# Altium PCB TIDA-01576_ADS8686S_ISO_Interface.PcbDoc (part 2 of 4) (continued)
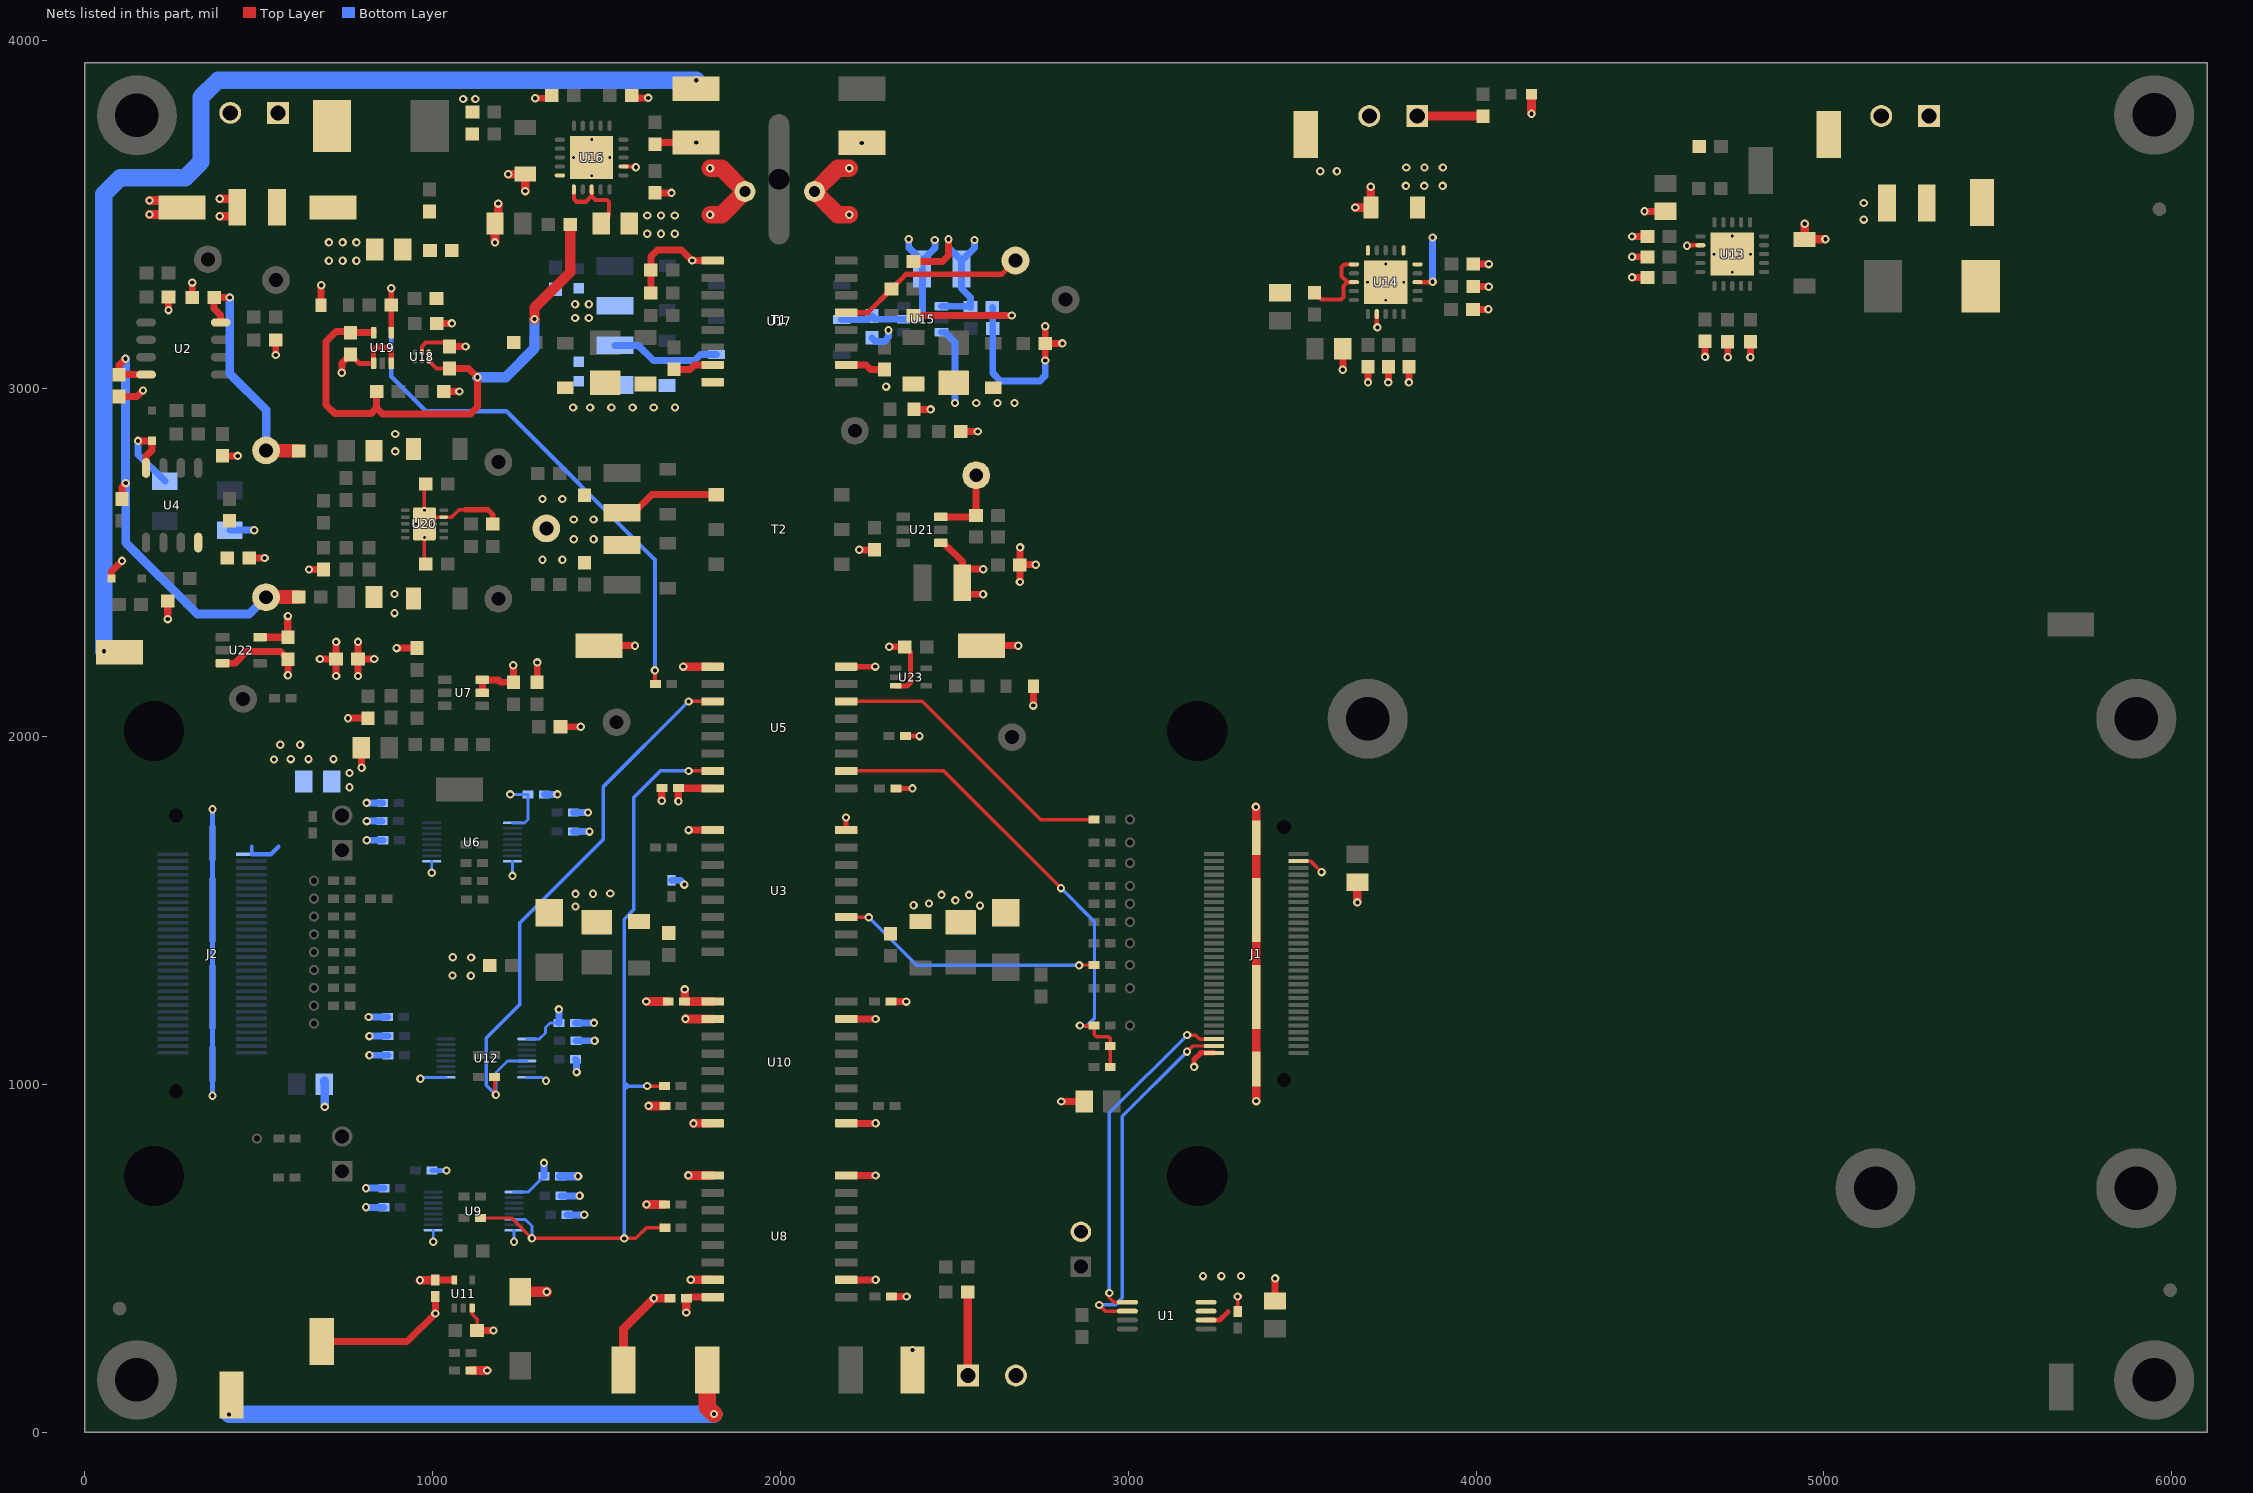
[diagram p4: the nets of this part, all layers, seen from the top]
## Part data (continued)
TP26 TP27 TP30 TP31 TP32 TP33 TP34 TP47 TP48: "Test Point, Miniature, Red, TH", Color=Red, Manufacturer=Keystone, Supplier Part Number 1=36-5000-ND, ComponentLink1Description="Datasheet URL", ComponentLink1URL=http://www.keyelco.com/userAssets/file/M60-2p60.pdf, CompType="Test Point Loop", ContactFinish=Silver, MountType=TH, PackageReference="Red Miniature Testpoint", PartNumber=5000, Publisher="Texas Instruments", RoHS=Y, Supplier 1=Digi-Key, Supplier 2=Mouser, Supplier Part Number 2=534-5000, SymbolVersion=2008-04-04
  TP26 TP30 TP32 TP34 TP47 TP48: Green_EU RoHS=Passed, Green_EU RoHS-2=Incomplete, Green_Lifecycle=Active, Green_REACh=Passed, LatestRevisionDate=2017-05-11
  TP27 TP31 TP33: LatestRevisionDate=2016-02-11
TP28 TP29: "Test Point, Miniature, Black, TH", Color=Black, Manufacturer=Keystone, Supplier Part Number 1=36-5001-ND, ComponentLink1Description="Datasheet URL", ComponentLink1URL=http://www.keyelco.com/userAssets/file/M60-2p60.pdf, CompType="Test Point Loop", ContactFinish=Silver, Green_EU RoHS=Passed, Green_EU RoHS-2=Incomplete, Green_Lifecycle=Active, Green_REACh=Passed, LatestRevisionDate=2017-05-11, MountType=TH, PackageReference="Black Miniature Testpoint", PartNumber=5001, Publisher="Texas Instruments", RoHS=Y, Supplier 1=Digi-Key, Supplier 2=Mouser, Supplier Part Number 2=534-5001, SymbolVersion=2008-04-04
U1: library part CMP-0004843-1, "I2C BUS EEPROM (2-Wire), TSSOP-B8", Manufacturer=Rohm, Supplier Part Number 1=BR24G32FVT-3AG2CT-ND, ComponentLink1Description="Datasheet URL", ComponentLink1URL=http://rohmfs.rohm.com/en/products/databook/datasheet/ic/memory/eeprom/br24g32-3-e.pdf, LatestRevisionDate=09/03/2017, MountType=SMT, PackageReference=TSSOP-8, PartNumber=BR24G32FVT-3AGE2, Publisher="Texas Instruments", RoHS=Y, Supplier 1=Digi-Key, Supplier 2=Mouser, Supplier Part Number 2=755-BR24G32FVT-3AGE2
U2: library part CMP-0040593-1, "Low Power, RRO, General Purpose Operational Amplifier in MicroPackage, 2.7 to 36 V, -40 to 125 degC, 8-pin SOIC (D8), Green (RoHS & no Sb/Br)", Manufacturer="Texas Instruments", Rating=Catalog, Total Supply Voltage(Max)(+5V is 5, +/-5V is 10)=36, Total Supply Voltage(Min)(+5V is 5, +/-5V is 10)=2.7, CMRR(Min)(dB)=104, Code_JEDEC=MS-012, ComponentLink1Description="Manufacturer URL", ComponentLink1URL=http://www.ti.com/, ComponentLink2Description=Datasheet, ComponentLink2URL=http://www.ti.com/lit/ds/symlink/opa2171.pdf, ComponentLink3Description="Package Specification", ComponentLink3URL=http://www.ti.com/litv/pdf/msoi002j, DatasheetVersion=SBOS516D, Eco-Plan="Green (RoHS & no Sb/Br)", GBW(Typ)(MHz)=3, IIB(Max)(pA)=15, Iq per channel(Max)(mA)=0.595, Mounting Technology="Surface Mount", Number of Channels=2, Offset Drift(Typ)(uV/C)=0.3, PackageDescription="8-Pin Plastic Small Outline, Body 4.9 x 3.9 mm, Pitch 1.27 mm", PackageReference=D0008A, PackageVersion="4040047-3/M, 06/2011", Packing=TUBE, PartId=1, PartNumber=OPA2171AID, Slew Rate(Typ)(V/us)=1.5, Sub Family="High Supply Voltage Amplifier (>=30V), Low Supply Voltage Amplifier (<=2.7V), Precision Amplifier", Vio (25C)(Max)(mV)=1.8
U3 U5: library part CMP-0078433-2, "High Speed, Robust EMC, Reinforced Six-Channel Digital Isolator, DW0016B (SOIC-16)", Alternate Manufacturer="Texas Instruments", Alternate PartNumber=ISO7763DW, Operating Temperature Range="-55 to 125 C", Rating=Catalog, AEC Category=Q200, AEC Qualified=N, ComponentLink1Description="Datasheet Link", ComponentLink1URL=http://www.ti.com/lit/ds/symlink/iso7763.pdf, ComponentLink2Description="Product Folder", ComponentLink2URL=http://www.ti.com/product/iso7763, ComponentLink3Description="Online Datasheet", ComponentLink3URL=http://www.ti.com/product/GPN/datasheet, CompType=IC, Manufacturer="Texas Instruments", MountType=SMT, PackageDescription=SOIC-16, PackageReference=DW0016B, PartNumber=ISO7763DWR, RoHS=Y, SizeArea_mm2=107.12, SizeAreaWB_mm2=152.52, SizeX_mm=10.4, SizeY_mm=10.3, SizeZ_mm=2.65
U4: library part LM2903D, "Dual Comparator, D0008A", Alternate Manufacturer="Texas Instruments", Supplier Part Number 1=296-16806-1-ND, ComponentLink1Description="LM2903 Datasheet", ComponentLink1URL=http://www.ti.com/lit/gpn/LM193, ComponentLink2Description="LM2903 Web Page", ComponentLink2URL=http://www.ti.com/product/LM2903, ComponentLink3Description="SOIC Package Web Page", ComponentLink3URL=http://www.ti.com/sc/docs/psheets/type/soic.html, CompType="OpAmp IC", LatestRevisionDate=2016-06-02, Manufacturer="Texas Instruments", MountType=SMT, PackageReference=D0008A, PartNumber=LM2903DR, Publisher="Texas Instruments", Supplier 1=Digi-Key, SymbolVersion=2013-12-03
U6 U9 U12: "4-Bit Dual-supply Bus Transceiver with Configurable Voltage Translation and 3-State Outputs, DGV0016A", Alternate Manufacturer="Texas Instruments", ComponentLink1Description="Datasheet Link", ComponentLink1URL=http://www.ti.com/lit/ds/symlink/sn74avc4t245.pdf, CompType=IC, LatestRevisionDate=2016-05-19, Manufacturer="Texas Instruments", MountType=SMT, PackageDescription=TVSOP-16, PackageReference=DGV0016A, PartNumber=SN74AVC4T245DGVR, Publisher="Texas Instruments", RoHS=Y, SizeArea_mm2=40.96, SizeAreaWB_mm2=70.56, SizeX_mm=6.4, SizeY_mm=6.4, SizeZ_mm=1.2, SymbolCreator=Altium, SymbolVerison=2015-09-23, U/M=EA
U7: "Single Output High PSRR LDO, 100 mA, Adjustable 1.2 to 5.5 V Output, 2.7 to 5.5 V Input, 6-pin SOT-23 (DBV), -40 to 125 degC, Green (RoHS & no Sb/Br)", Alternate Manufacturer="Texas Instruments", Alternate PartNumber=Equivalent, Supplier Part Number 1=296-11864-2-ND, Accuracy(%)=2, Code_JEDEC=MO-178, ComponentLink1Description="Manufacturer URL", ComponentLink1URL=http://www.ti.com/, ComponentLink2Description=Datasheet, ComponentLink2URL=http://www.ti.com/general/docs/lit/getliterature.tsp?genericPartNumber=TPS79101&fileType=pdf, ComponentLink3Description="Package Specification", ComponentLink3URL=http://www.ti.com/litv/pdf/mpds026h, DatasheetVersion=SLVS325C, Eco-Plan="Green (RoHS & no Sb/Br)", Iout(Max)(A)=0.1, Iq(Typ)(mA)=0.2, Manufacturer="Texas Instruments", MountType=SMT, PackageDescription="6-Pin Plastic Small Outline, Body 1.60 × 2.90 mm, Pitch 0.95 mm", PackageReference=DBV0006A, PackageVersion=4073253-5/K, PartNumber=TPS79101DBVR, SubFamily="Single Channel LDO", Supplier 1=Digi-Key, Supplier 2=Digi-Key, Supplier 3=Digi-Key, Supplier 4=Farnell, Supplier 5=Newark, Supplier 6=Mouser, Supplier Part Number 2=296-11864-1-ND, Supplier Part Number 3=296-11864-6-ND, Supplier Part Number 4=1575748, Supplier Part Number 5=77C1342, Supplier Part Number 6=595-TPS79101DBVR, Vdo(Typ)(mV)=38, Vin(Max)(V)=5.5, Vin(Min)(V)=2.7, Vout Adj(Max)(V)=5.5, Vout Adj(Min)(V)=1.2
U8: "Robust EMC, Low Power, Triple-Channel 3/0 Digital Isolator, Fail-Safe High, DW0016B (SOIC-16)", Alternate Manufacturer="Texas Instruments", Alternate PartNumber=ISO7330CDW, ComponentLink1Description="Datasheet Link", ComponentLink1URL=http://www.ti.com/lit/ds/symlink/iso7330c.pdf, CompType=IC, LatestRevisionDate=2017-05-08, Manufacturer="Texas Instruments", MountType=SMT, PackageDescription=SOIC-16, PackageReference=DW0016B, PartNumber=ISO7330CDWR, Publisher="Texas Instruments", RoHS=Y, SizeArea_mm2=107.12, SizeAreaWB_mm2=152.52, SizeX_mm=10.4, SizeY_mm=10.3, SizeZ_mm=2.65, SymbolCreator=Altium, SymbolVersion=2016-3-6, U/M=EA
U10: library part CMP-0065838-4, "High-Immunity, 5.7kVRMS Reinforced Quad-Channel 3/1 Digital Isolator, 100Mbps, DW0016B (SOIC-16)", Alternate Manufacturer="Texas Instruments", Alternate PartNumber=ISO7841DW, Operating Temperature Range="-55 to 125 C", Rating=Catalog, AEC Category=Q200, AEC Qualified=N, ComponentLink1Description="Datasheet Link", ComponentLink1URL=http://www.ti.com/lit/ds/symlink/iso7841.pdf, ComponentLink2Description="Product Folder", ComponentLink2URL=http://www.ti.com/product/iso7841, ComponentLink3Description="Online Datasheet", ComponentLink3URL=http://www.ti.com/product/iso7841/datasheet, CompType=IC, Manufacturer="Texas Instruments", MountType=SMT, PackageDescription=SOIC-16, PackageReference=DW0016B, PartNumber=ISO7841DWR, RoHS=Y, SizeArea_mm2=107.12, SizeAreaWB_mm2=152.52, SizeX_mm=10.4, SizeY_mm=10.3, SizeZ_mm=2.65
U11: "SINGLE SCHMITT-TRIGGER BUFFER, DCK0005A", Alternate Manufacturer="Texas Instruments", Alternate PartNumber=SN74LVC1G17DCKT, ComponentLink1Description="Datasheet Link", ComponentLink1URL=http://www.ti.com/lit/ds/symlink/sn74lvc1g17.pdf, CompType=IC, LatestRevisionDate=2015-08-14, Manufacturer="Texas Instruments", MountType=SMT, PackageReference=DCK0005A, PartNumber=SN74LVC1G17DCKR, Publisher="Texas Instruments", RoHS=Y, SymbolCreator=a0799628, SymbolVersion=2014-01-24, U/M=EA
U13 U14 U16: library part CMP-0066918-1, "36-V, 1-A, 4.17-uVRMS, RF LDO Voltage Regulator, RGW0020A (VQFN-20)", Alternate Manufacturer="Texas Instruments", Alternate PartNumber=TPS7A4700RGWT, ComponentLink1Description="Datasheet Link", ComponentLink1URL=http://www.ti.com/lit/ds/symlink/tps7a47.pdf, CompType=IC, Footprint Path 6=C:\AltiumLibraries\Footprints\TI\.PcbLib, Green_EU RoHS=Passed, Green_EU RoHS-2=Passed, Green_Lifecycle=Active, Green_REACh=Passed, LatestRevisionDate=2017-06-09, Manufacturer="Texas Instruments", MountType=SMT, PackageDescription=VQFN-20, PackageReference=RGW0020A, PartNumber=TPS7A4700RGWR, Publisher="Texas Instruments", RoHS=Y, SizeArea_mm2=25.0, SizeAreaWB_mm2=49.0, SizeX_mm=5.0, SizeY_mm=5.0, SizeZ_mm=1.0, U/M=EA
U15 U21: "LOW-NOISE 1A TRANSFORMER DRIVERS FOR ISOLATED POWER SUPPLIES, DBV0006A", Alternate Manufacturer="Texas Instruments", Alternate PartNumber=SN6505BDBVT, ComponentLink1Description="Datasheet Link", ComponentLink1URL=https://sps06.itg.ti.com/sites/KMS/crossdivteams/altium/docs/ComponentDatasheets/SN6505-PPV.pdf, CompType=IC, LatestRevisionDate=2015-08-06, Manufacturer="Texas Instruments", MountType=SMT, PackageReference=DBV0006A, PartNumber=SN6505BDBVR, Publisher="Texas Instruments", SymbolCreator=Altium, SymbolVersion=2015-08-03, U/M=EA
U17: library part CMP-0081958-3, "500 mW, High-Efficiency, Low-Emissions, 5 kVRMS Isolated DC-DC Converter, DVE0016A (SO-MOD-16)", Alternate Manufacturer="Texas Instruments", Alternate PartNumber=UCC12050DVE, Operating Temperature Range="-40 to 125 C", AEC Category=Q200, AEC Qualified=N, ComponentLink1Description="Datasheet Link", ComponentLink1URL=http://www.ti.com/lit/ds/symlink/ucc12050.pdf, ComponentLink2Description="Product Folder", ComponentLink2URL=http://www.ti.com/product/ucc12050, ComponentLink3Description="Online Datasheet", ComponentLink3URL=http://www.ti.com/product/ucc12050/datasheet, CompType=IC, Manufacturer="Texas Instruments", MountType=SMT, PackageDescription=SO-MOD-16, PackageReference=DVE0016A, PartNumber=UCC12050DVER, SizeArea_mm2=106.09, SizeAreaWB_mm2=151.29, SizeX_mm=10.3, SizeY_mm=10.3, SizeZ_mm=2.65
U18: library part CMP-0032427-3, "Single-Channel Ultra-Small Adjustable Supervisory Circuit With Active-High Open-Drain Output, DRY0006A (USON-6)", Manufacturer="Texas Instruments", Operating Temperature Range="-40 to 125 C", Rating=Catalog, Threshold Voltage 1 (typ)(Typ)(V)=Adjustable, # of Supplies Monitored=1, Active High Enable=TRUE, AEC Category=Q200, AEC Qualified=N, ComponentLink1Description="Datasheet Link", ComponentLink1URL=http://www.ti.com/lit/ds/symlink/tps3897.pdf, ComponentLink2Description="Product Folder", ComponentLink2URL=http://www.ti.com/product/tps3897, ComponentLink3Description="Online Datasheet", ComponentLink3URL=http://www.ti.com/product/tps3897/datasheet, CompType=IC, Enable Pin=TRUE, Iq(Typ)(uA)=6, MountType=SMT, Output Driver Type / Reset Output="Active-High, Open-drain", PackageDescription=USON-6, PackageReference=DRY0006A, PartNumber=TPS3897ADRYR, Reset Threshold Accuracy(%)=0.25, SizeArea_mm2=1.45, SizeAreaWB_mm2=4.9, SizeX_mm=1.0, SizeY_mm=1.45, SizeZ_mm=0.6, Time Delay(ms)="0.04, Programmable", VCC(Max)(V)=6.5, VCC(Min)(V)=1.7
U19: library part CMP-0051326-1, "Single Bus Buffer Gate With 3-State Outputs, DCK0005A, LARGE T&R", F @ Nom Voltage(Max)(Mhz)=150, ICC @ Nom Voltage(Max)(mA)=0.01, Manufacturer="Texas Instruments", Operating Temperature Range(C)="-40 to 125,-40 to 85", Rating=Catalog, tpd @ Nom Voltage(Max)(ns)=9,5.5,4.5,4, Voltage(Nom)(V)=1.8,2.5,3.3,5, 3-State Output=Yes, Bits(#)=1, DatasheetVersion=SCES223T, Input Type=CMOS/TTL, Logic=True, Output Drive (IOL/IOH)(Max)(mA)=32/-32, Output Type=CMOS, PackageReference=DCK0005A, PartId=1, PartNumber=SN74LVC1G125DCKR, Schmitt Trigger=No, Sub-Family="Non-Inverting Buffer/Driver", Technology Family=LVC, VCC(Max)(V)=5.5, VCC(Min)(V)=1.65
U20: "Wide-VIN (±33 V), 150-mA, Spilt-Rail Output, Positive and Negative LDO Voltage Regulator with Startup Tracking, DSC0010J", Alternate Manufacturer="Texas Instruments", Supplier Part Number 1=296-47504-1-ND, ComponentLink1Description="Datasheet Link", ComponentLink1URL=https://sps06.itg.ti.com/sites/KMS/crossdivteams/altium/docs/ComponentDatasheets/SBVS263.pdf, CompType=IC, LatestRevisionDate=2016-07-20, Manufacturer="Texas Instruments", MountType=SMT, PackageDescription=WSON-10, PackageReference=DSC0010J, PartNumber=TPS7A3901DSC, Publisher="Texas Instruments", SizeArea_mm2=9, SizeAreaWB_mm2=16, SizeX_mm=3, SizeY_mm=3, SizeZ_mm=0.8, Supplier 1=Digi-Key, SymbolCreator=Altium, SymbolVersion=2016-01-29, U/M=EA
U22: library part CMP-0051622-1, "Single 2-Input Positive-OR Gate, DBV0005A, LARGE T&R", F @ Nom Voltage(Max)(Mhz)=150, ICC @ Nom Voltage(Max)(mA)=0.01, Manufacturer="Texas Instruments", Operating Temperature Range(C)="-40 to 125,-40 to 85", Rating=Catalog, tpd @ Nom Voltage(Max)(ns)=7.2,4.4,3.6,3.4, Voltage(Nom)(V)=1.8,2.5,3.3,5, 3-State Output=No, Bits(#)=1, DatasheetVersion=SCES219U, Input Type=CMOS/TTL, Logic=True, Output Drive (IOL/IOH)(Max)(mA)=32/-32, Output Type=CMOS, PackageReference=DBV0005A, PartId=1, PartNumber=SN74LVC1G32DBVR, Schmitt Trigger=No, Sub-Family="OR Gate", Technology Family=LVC, VCC(Max)(V)=5.5, VCC(Min)(V)=1.65
U23: library part CMP-0051704-1, "Single Schmitt-Trigger Buffer, DCK0005A, LARGE T&R", F @ Nom Voltage(Max)(Mhz)=150, Generic Part Number=SN74LVC1G17, ICC @ Nom Voltage(Max)(mA)=0.01, Manufacturer="Texas Instruments", Operating Temperature Range(C)="-40 to 125,-40 to 85", Rating=Catalog, tpd @ Nom Voltage(Max)(ns)=11,6.5,5.5,5, Voltage(Nom)(V)=1.8,2.5,3.3,5, 3-State Output=No, Bits(#)=1, DatasheetVersion=SCES351V, Input Type=CMOS/TTL, Logic=True, Output Drive (IOL/IOH)(Max)(mA)=32/-32, Output Type=CMOS, PackageReference=DCK0005A, PartId=1, Schmitt Trigger=Yes, Sub-Family="Non-Inverting Buffer/Driver", Technology Family=LVC, VCC(Max)(V)=5.5, VCC(Min)(V)=1.65
ZZ1: library part AssemblyNoteLabel, Alternate Manufacturer=-, Alternate PartNumber=-, ClassName=AssemblyNote, CompType=AssemblyNote, LatestRevisionDate=2012-07-31, LatestRevisionNote="Initial Version", Publisher="Texas Instruments", SymbolCreator=a0412235, SymbolVersion=2012-06-14
ZZ2 ZZ3 ZZ4: library part AssemblyNote, Alternate Manufacturer=-, Alternate PartNumber=-, ClassName=AssemblyNote, CompType=AssemblyNote, LatestRevisionDate=2012-06-14, LatestRevisionNote="Initial Version", Publisher="Texas Instruments", SymbolCreator=codlsc, SymbolVersion=2010-05-18

## Free pads (board coordinates)
  oval 59.06x375 hole 60 slot 375 at 90 deg unplated mask+10: 0(1996,3602)

## Via types
v1: diameter 24, hole 12, Top Layer to Bottom Layer, tented both sides, 348 vias
v2: diameter 19.68, hole 7.87, Top Layer to Bottom Layer, 19 vias

## Nets (pads, with @x,y where several pads share a name; then routed paths per layer and width w, separated by ;. In a path a pad name is that pad's centre, name@x,y a point inside that pad or via, vN(x,y) a via of type N, cw(c..) or ccw(c..) an arc to the next point about the centre after c; other vN are vias at no path point)
5.4V_OK: R115.2 R133.2 U19.4 | length 1715
  Top Layer w12: v1(1639,2190) 1639,2152.38 R133.2@1640.38,2151
  Top Layer w15: v1(881.22,3288.78) R115.2@881.22,3240.71 881.31,3240.61 U19.4@881.31,3161.29
  Bottom Layer w12: v1(881.22,3288.78) 881.22,3034.95 981.17,2935 1212,2935 1639,2508 v1(1639,2190)
+3.3VDC: R79.2 R80.2 U14.1 U14.3 U14.20 | length 249.5
  Top Layer w12: R79.2@3535.98,3276.25 3555.83,3256.41 3612.16,3256.41 3618.65,3262.91 3618.65,3294.79 3630.07,3306.2 ; U14.3@3648.83,3306.2 3630.07,3306.2 ; U14.1@3648.83,3357.39 3621.13,3357.39 3613.16,3349.41 3613.16,3323.12 3630.07,3306.2
+3P3_CONN: J4.1 R66.2 | length 250.2
  Top Layer w25: R66.2@2538.5,403.5 2538.5,155.61 J4.1@2540.1,154
+5.4V: R94.2 R128.1 R129.2 R130.1
+5.4V_I: R102.2 R106.1 R129.1
+5V_CNTL: C41.1 C45.2 C46.2 C47.2 J6.1 R81.2 R100.1 R101.2 R103.2 R116.2 R127.1 T1.2 U14.13 U14.15 U14.16 U15.2 | length 1663.4
  Top Layer w12: U14.13@3831.9,3306.2 3873.95,3306.2 v1(3875.16,3307.41)
  Top Layer w20: R103.2@2518.5,2877 v1(2567.5,2877) ; v1(2688.5,2444.35) R116.2@2688.5,2493.65 2688.85,2494 v1(2734,2494) ; R116.2@2689.19,2494.35 v1(2689.19,2543.65) ; v1(2761.5,3081.21) R101.2@2761.5,3130.38 ; v1(2761.5,3179.55) R101.2@2761.5,3130.38 ; v1(2810.66,3130.38) R101.2@2761.5,3130.38
  Top Layer w25: J6.1@3831,3784 4019.5,3784 R81.2@4020,3783.5
  Bottom Layer w12: v1@3872.13,3438.06 3875.16,3435.04 v1(3875.16,3434.63)
  Bottom Layer w20: T1.2@2176.11,3198.73 2252.61,3198.73 C47.2@2263,3209.13 2272.5,3199.63 U15.2@2354.87,3199.63 2397.63,3199.63 2409,3211 2409,3341.54 C45.2@2406.91,3343.63 2406.91,3368.09 2369,3406 v1(2369,3429.47) ; C45.2@2406,3366 2443.91,3403.91 v1(2443.91,3427.39) ; C46.2@2609.5,3233.63 2610.5,3232.63 R100.1@2610.5,3172.73 2610.5,3044.88 2633.37,3022 2746,3022 2761.5,3037.5 v1(2761.5,3081.21) ; v1(3875.16,3307.41) v1(3875.16,3434.63)
  other v1: 3798.5,3583 3851.25,3583 3904,3583 3799.25,3635.75 3852,3635.75 3904.75,3635.75
+6V_PH: R99.1 R131.1
  other v1: 1087.8,3833 1123,3833
+12V: C7.2 C11.2 R13.2 R85.2 R117.2 TP27.1 U2.8 U4.8 | length 1314.5
  Top Layer w20: R85.2@107,2682.99 107,2717.5 v1(118,2728.5) ; v1(117,3086) 99,3068 C7.2@99,3040.5 U2.8@176.2,3040.48 ; C11.2@408,2511.5 C11.2@409.5,2513
  Top Layer w40: TP27.1@521.24,2400.28 522.42,2401.46 R117.2@615.17,2401.46
  Bottom Layer w25: v1(117,3086) 117,3079.35 116.82,3079.18 116.82,2729.67 v1(118,2728.5) 118,2557 323,2352 472.97,2352 TP27.1@521.24,2400.28
+12VDC: C37.1 D3.2 J5.1 TP19.1
-6V_PH: C53.2 C54.2 D9.2
-12V: C9.2 R126.2 TP31.1 U2.4 | length 701.8
  Top Layer w20: U2.4@390.77,3190.48 390.77,3211.23 371.98,3230.02 C9.2@371.98,3262.32 v1(417,3262.32)
  Top Layer w40: TP31.1@521.39,2822.73 522.66,2821.46 R126.2@615.17,2821.46
  Bottom Layer w25: v1(417,3262.32) 417,3043 521.39,2938.61 TP31.1@521.39,2822.73
AGND: C7.1 C8.1 C9.1 C11.1 C17.1 C67.1 C68.2 C70.2 C74.2 C75.2 C78.1 C79.2 C80.2 D5.2 D6.2 R83.1 R95.1 R122.1 R134.2 U4.4 U20.4 U20.11@976.66,2611.26 U22.3 | length 1572.5
  Top Layer w10: C68.2@980.17,2496.46 976.66,2499.96 v2(976.66,2571.89) U20.11@976.66,2611.26 ; C79.2@980.17,2726.46 976.66,2722.95 v2(976.66,2650.63) U20.11@976.66,2611.26 ; 1093.39,2651.73 1076.39,2651.73 1055.6,2630.94 U20.4@1031.78,2630.94 996.35,2630.94 U20.11@976.66,2611.26
  Top Layer w15: 1093.39,2651.73 1159.39,2651.73 1173.16,2637.96 C75.2@1173.16,2611.46
  Top Layer w20: D6.2@76.86,2454 76.86,2474.86 v1(107,2505) ; C7.1@99,2977.5 149.86,2977.5 v1(167.35,2995) ; v1(153,2850) 192.68,2850 D5.2@193,2850.32 193,2823 176,2806 U4.4@176,2772.13 ; v1(240.64,3225.8) C17.1@240.64,3263.1 ; C9.1@308.99,3262.32 v1(308.99,3305.01) ; U22.3@395.91,2210.6 431.6,2210.6 465,2244 562.55,2244 C80.2@584.04,2222.5 v1(584.04,2176.04) ; C11.1@472.5,2513 v1(517,2513) ; v1(549,3097) C8.1@548.98,3140.32 ; v1(644.61,2479.96) R122.1@686.66,2479.96 ; v1(676,2223) R134.2@722.5,2223 ; v1(722.5,2174) R134.2@722.5,2223 ; v1(722.5,2272) R134.2@722.5,2223
  Bottom Layer w20: v1(153,2850) 153,2811.09 R95.1@230,2734.09 ; R83.1@417,2593.18 v1(487.18,2593.18)
  other v1: 890.39,2354.73 890.39,2409.73 892.39,2819.73 892.39,2869.73
  other v2: 952.06,2611.26 1001.27,2611.26
BUSY: R6.2 U5.6 | length 854.3
  Top Layer w10: U5.6@2188.81,2100.81 2408.19,2100.81 2748,1761 R6.2@2901.13,1761 R6.2@2902.38,1761
CONVST: R21.1 R49.1 R57.1 U5.2 | length 1421.7
  Top Layer w10: U5.2@2188.81,1900.81 2470.19,1900.81 v1(2807,1564) ; v1(2861,1169) R21.1@2901.13,1169 2901.76,1169 2901.76,1144.24 2909,1137 2943.37,1137 2949,1131.37 R49.1@2949,1050
  Bottom Layer w10: v1(2807,1564) 2903.14,1467.86 2903.14,1190.2 2881.94,1169 v1(2861,1169)
CSN: R7.1 U3.3 | length 769.3
  Top Layer w10: U3.3@2188.81,1480.81 v1@2253.19,1480.81 ; v1(2859,1342) 2860,1343 R7.1@2901.13,1343 R7.1@2901.38,1343
  Bottom Layer w10: v1(2254,1480) 2392,1342 v1(2859,1342)
EVM_ID_SCL: J1.58 U1.6 | length 1031.3
  Top Layer w10: v1(2917,365.5) 2934.75,347.75 U1.6@2997.54,347.75 ; v1(3169,1094) 3185.1,1110.1 J1.58@3246.5,1110.1
  Bottom Layer w10: v1(2917,365.5) 2962,365.5 2983,386.5 2983,908 v1(3169,1094)
EVM_ID_SDA: J1.56 U1.5 | length 986.7
  Top Layer w10: v1(2946,400) 2946,386 2958.66,373.34 U1.5@2997.54,373.34 ; v1(3169.5,1141.5) 3193.5,1141.5 3205.2,1129.8 J1.56@3246.5,1129.8
  Bottom Layer w10: v1(2946,400) 2946,918 v1(3169.5,1141.5)
FAULT: R109.1 TP25.1 U17.5 | length 549.3
  Top Layer w15: U17.5@2188.81,3218.44 2251.31,3218.44 R109.1@2319.5,3286.63 2361.87,3329 2636.56,3329 TP25.1@2676,3368.44
GND: C1.2 C3.2 C5.2 C6.1 C10.2 C12.2 C15.2 C18.1 C26.1 C32.2 C36.1 C37.2 C38.2 C39.2 C40.2 C41.2 C42.2 C43.2 C45.1 C46.1 C47.1 C55.1 C56.2 C57.2 C64.1 C65.1 C66.1 C81.2 D1.2 D8.2 D14.1 J1.3 J1.60 J1.MP1 J1.MP2 J1.MP3 J1.MP4 J3.2 J4.2 J5.2 J6.2 LED1.2 R68.1 R69.1 R70.1 R71.1 R72.1 R74.1 R75.1 R76.1 R77.1 R78.1 R105.1 R110.1 R114.2 R135.1 TP1.1 TP2.1 TP3.1 TP20.1 TP22.1 TP28.1 U1.2 U1.3 U1.4 U3.8 U5.8 U8.2 U8.8 U10.9 U10.15 U13.7 U13.21 U14.7 U14.21 U15.4 U15.6 U17.2 U21.4 U21.6 U23.3 | length 5367
  Top Layer w10: U3.8@2188.81,1730.81 U3.8@2192,1734 ; C6.1@3314.73,346.2 v1(3314.73,389.77) ; J1.3@3489.5,1642 3524,1642 v1(3556,1610) ; v1(3716.41,3176.22) v1@3717.51,3176.22 ; v1@4606.81,3409.65 v1(4606.81,3410.75)
  Top Layer w12: v1@3714.77,3185.8 U14.7@3714.77,3214.67 ; v1@4616.39,3412.39 U13.7@4645.26,3412.39
  Top Layer w14: U1.2@3223.92,322.16 3263.76,322.16 3287.8,346.2
  Top Layer w15: U3.8@2188.81,1730.81 v1(2188.81,1767) ; U5.8@2188.81,2200.81 v1(2272.81,2200.81) ; U23.3@2331.19,2145.41 2364.41,2145.41 2374.39,2155.39 2374.39,2241.11 C81.2@2357.5,2258 ; C18.1@2332.12,1850.81 v1(2380,1850.81) ; R135.1@2359.62,2001 v1(2400,2001) ; v1(3189.5,1050) 3189.5,1071 3208.9,1090.4 J1.60@3246.5,1090.4
  Top Layer w20: U17.2@2188.81,3068.44 2245.56,3068.44 2258.86,3055.14 C55.1@2300,3055.14 ; U8.2@2189.81,437.81 v1(2273.81,437.81) ; U8.8@2189.81,737.81 v1(2273.81,737.81) ; U10.9@2189.81,887.81 v1(2273.81,887.81) ; U10.15@2189.81,1187.81 v1(2273.81,1187.81) ; v1(2226.78,2536.78) C66.1@2270,2536.78 ; v1(2313,2258) C81.2@2357.5,2258 ; C32.2@2318.43,1237.81 v1(2362,1237.81) ; C26.1@2319.43,389.81 v1(2363,389.81) ; R110.1@2382.5,3210.63 v1(2665,3210.63) ; R114.2@2382.5,3365.63 2465.63,3365.63 2483.17,3383.17 v1(2483.17,3429.47) ; R105.1@2383.5,2940.5 v1(2432,2940.5) ; U21.4@2461.13,2556.87 2469.33,2556.87 2523.09,2503.12 C64.1@2523.09,2481 ; U21.6@2461.13,2631.68 2558.82,2631.68 C65.1@2562.5,2635.36 2562.5,2750.5 TP28.1@2563,2751 ; C64.1@2523,2409 v1(2582.91,2409) ; C64.1@2523.09,2442 C64.1@2523.09,2481 ; TP1.1@2578,2261 v1(2684,2261) ; v1(2583,2481) C64.1@2523.09,2481 ; v1(2727.22,2088.85) D14.1@2727.22,2144.3 ; v1(2807.58,950.5) C3.2@2873.25,950.5 ; C5.2@3422.5,377 v1(3422.5,442) ; v1(3616.98,3054.25) C43.2@3616.98,3114.76 ; v1(3689.61,3018.2) R74.1@3689.61,3062.71 ; v1(3747.86,3018.2) R75.1@3747.86,3062.71 ; v1(3807.11,3018.2) R76.1@3807.11,3062.71 ; R77.1@3991.11,3228.2 v1(4035.61,3228.2) ; R78.1@3992.11,3293.2 v1(4036.61,3293.2) ; C42.2@3992.36,3358.2 v1(4036.86,3358.2) ; v1(4448.8,3320.05) R70.1@4493.3,3320.05 ; v1(4448.8,3379.3) R69.1@4493.3,3379.3 ; v1(4448.8,3437.55) R68.1@4493.3,3437.55 ; v1(4484.5,3510) C40.2@4545,3510 ; v1(4658.8,3091.55) R71.1@4658.8,3136.05 ; v1(4723.8,3090.55) R72.1@4723.8,3135.05 ; v1(4788.8,3090.3) C39.2@4788.8,3134.8
  Top Layer w25: v1(3367,1797.5) 3368,1796.5 J1.MP1@3368,1708.7 J1.MP2@3368,1501.2 J1.MP3@3368,1251.2 J1.MP4@3368,1043.7 v1(3368,951.5) ; v1(3652.98,3520.99) C41.2@3697.51,3521.04 C41.2@3697.51,3521.04 v1(3697.51,3580.52) ; v1(3659,1523) C1.2@3659,1581 ; v1(4159.53,3790.47) LED1.2@4159.53,3846.5 ; v1(4945,3474) C38.2@4945.05,3429.47 C38.2@4945.05,3429.47 v1(5004.53,3429.47)
  Top Layer w50: v1(2198,3500) 2165,3500 C36.1@2098,3567 2165,3634 v1(2198,3634)
  Bottom Layer w20: C47.1@2263,3146.14 2273.14,3136 2299,3136 2311,3148 v1(2311,3168) ; U15.6@2463.13,3162.23 2472.77,3162.23 2502,3133 v1(2502,2959) ; U15.4@2463.13,3237.03 2543.1,3237.03 C46.1@2546.5,3233.63 2546.5,3262.5 2521.09,3287.91 C45.1@2521.09,3343.63 C45.1@2521.09,3366.91 ; v1(2483.17,3429.47) 2483.17,3406 2521.09,3368.09 C45.1@2521.09,3366.91 ; C45.1@2520.17,3366 C45.1@2521.09,3366.91 ; v1(2558.09,3427.39) 2558.09,3403.91 C45.1@2521.09,3366.91
  other v1: 2380,236 3215,448.5 3268,448.5 3324.5,449 2574.06,1513.7 2383.06,1514.7 2427.06,1519.7 2503.06,1528.7 2463.06,1544.7 2542.06,1544.7 2563,2959 2624,2959 2673,2959 2304,3006 5115,3486 5115,3534 3552,3625 3600,3625 2234,3706.82
  other v2: 3740.36,3254.04 3688.2,3306.2 3740.36,3306.2 3792.53,3306.2 4736.8,3334.63 3740.36,3358.37 4684.63,3386.8 4736.8,3386.8 4788.96,3386.8 4736.8,3438.96
I_PGND1: TP51.1 TP53.1 | length 3262
  Bottom Layer w50: v1(55,2245) 55,3559 102,3606 288.38,3606 334,3651.62 334,3838 383,3887 1731,3887 v1(1758,3887)
I_PGND2: TP52.1 TP54.1 | length 1528.3
  Top Layer w50: TP54.1@1790,178 1790,71 v1(1809,52)
  Bottom Layer w50: v1(415,51) 1808,51 v1(1809,52)
IGND: C2.2 C4.2 C13.2 C14.2 C16.1 C19.2 C20.2 C21.1 C22.2 C24.2 C25.2 C27.2 C28.2 C29.2 C30.1 C31.1 C33.2 C34.2 C35.2 C36.2 C44.2 C48.2 C49.2 C50.2 C51.2 C52.2 C53.1 C54.1 C58.1 C59.2 C60.1 C61.2 C62.1 C63.2 C71.2 C72.2 C76.1 C77.1 D2.2 D10.2 D11.1 J2.MP1 J2.MP2 J2.MP3 J2.MP4 J7.2 R43.1 R44.1 R46.2 R48.1 R51.1 R52.1 R61.1 R62.1 R63.1 R64.1 R89.1 R90.1 R91.1 R111.1 R112.2 R113.2 R134.1 S1.1 T1.4 T2.4 TP4.1 TP5.1 TP6.1 TP7.1 TP24.1 TP29.1 U3.9 U5.9 U6.8 U6.9 U7.2 U7.3 U8.9 U8.15 U9.8 U9.9 U10.2 U10.8 U11.3 U12.8 U12.9 U16.7 U16.21 U17.9 U17.15 U17.16 U18.2 U19.1 U19.3 | length 6438.7
  Top Layer w10: v1@895.78,2255 v1(896.6,2254.18) ; U11.3@1113.5,356.79 1113.5,338.5 1127.91,324.09 C33.2@1127.91,292.15
  Top Layer w12: U18.2@969.25,3104.33 969.25,3121.54 980.34,3132.63 1037.83,3132.63 C62.1@1049.25,3121.2 ; U16.7@1548.94,3639 1582,3639 v1(1584.41,3636.59)
  Top Layer w15: C63.2@763.72,3098.21 789.23,3072.71 U19.1@830.13,3072.71 830.13,3110.19 838.94,3119 868,3119 881.31,3105.69 U19.3@881.31,3072.71
  Top Layer w20: D11.1@679.63,3240 v1(679.63,3297.63) ; TP4.1@681,260 926.76,260 v1(1007.91,341.15) C30.1@1007.91,389.53 ; v1(739,3046) 739,3073.49 C63.2@763.72,3098.21 ; v1(756.6,2052.55) R48.1@814.82,2052.55 ; v1(785.5,2174) R134.1@785.5,2223 ; v1(785.5,2272) R134.1@785.5,2223 ; C24.2@794.82,1967.55 796,1966.37 v1(796,1910) ; v1(832,2223) R134.1@785.5,2223 ; v1(896.6,2254.18) C25.2@954.82,2254.18 ; R112.2@1011.75,3187.71 v1(1055.5,3187.71) ; C61.2@1031.75,2991.71 v1(1077.04,2991.71) ; C62.1@1049.25,3121.2 v1(1094.86,3121.2) ; C33.2@1127.91,292.15 v1(1174.91,292.15) ; U7.2@1143.03,2125.55 U7.3@1143.03,2162.95 1189.05,2162.95 1196,2156 C21.1@1232,2156 v1(1232,2205) ; v1(1295,3835) 1334.32,3835 C49.2@1342.42,3843.09 ; TP7.1@1478,2261 v1(1582,2261) ; C76.1@1545,2643.19 1578.19,2643.19 1630.28,2695.28 T2.4@1816,2695.28 ; R91.1@1572.31,3843 R91.1@1572.4,3843.09 1579.5,3836 v1(1620,3836) ; R111.1@1627.5,3274.63 R113.2@1627.5,3341.63 1627.5,3380.09 1646.41,3399 1715.89,3399 v1(1746.44,3368.44) U17.9@1804.95,3368.44 ; R89.1@1639.31,3563 R89.1@1639.41,3563.09 v1(1686.73,3563.09) ; R90.1@1639.31,3703 R90.1@1639.41,3703.09 1644.13,3707.82 v1(1757.82,3707.82) ; C58.1@1694.08,3055.45 1740.45,3055.45 1753.44,3068.44 U17.15@1804.95,3068.44 ; v1(1736.19,1730.81) U3.9@1804.95,1730.81
  Top Layer w22: v1(1659,1815) 1659,1851.22 C19.2@1659.38,1851.61
  Top Layer w25: v1(186,3501) TP24.1@227,3501 ; v1(186,3541) TP24.1@227,3541 ; v1(388.08,3495.94) C44.2@429.08,3495.94 ; v1(388.08,3545.94) C44.2@429.08,3545.94 ; v1(1179.41,3420.64) C50.2@1179.41,3474.59 ; C50.2@1189,3485 v1(1189,3532) ; v1(1217.73,3616.66) C48.2@1266.41,3616.66 v1(1266.41,3567.98) ; TP5.1@1549,178 1549,297.5 v1(1636.31,384.81) C27.2@1682.19,384.81 ; v1(1614.5,1238) 1614.69,1237.81 C31.1@1677.57,1237.81 ; v1(1720.69,2200.81) U5.9@1804.95,2200.81 ; v1(1727,1188) 1744.5,1188 1744.69,1187.81 U10.2@1805.95,1187.81 ; v1(1735.5,738) 1735.69,737.81 U8.9@1805.95,737.81 ; v1(1742,438) 1742.19,437.81 U8.15@1805.95,437.81 ; v1(1750,887.5) 1750.31,887.81 U10.8@1805.95,887.81
  Top Layer w30: S1.1@1251.91,403.45 v1(1328.05,403.45)
  Top Layer w50: v1(1798,3500) 1831,3500 C36.2@1898,3567 1831,3634 v1(1798,3634)
  Bottom Layer w8: v1(965,1016) 968.88,1019.88 U12.9@1038.56,1019.88 ; v1(997.39,1608.33) U6.9@997.39,1641.38 ; v1(1001.64,547.08) U9.9@1001.64,580.13 ; v1(1229.67,1599.33) U6.8@1229.67,1641.38 ; v1(1233.92,547.08) U9.8@1233.92,580.13 ; U12.8@1270.84,1019.88 1316.12,1019.88 v1(1326,1010)
  Bottom Layer w10: v1(965,1016) v1@969.08,1016
  Bottom Layer w15: v1(367,967) J2.MP4@367,1058.49 J2.MP3@367,1251.01 J2.MP2@367,1501.01 J2.MP1@367,1693.53 v1(367,1791) ; C29.2@998.4,752 v1(1040,752) v1@1042.78,752
  Bottom Layer w20: v1(808.35,646.25) R52.1@859.71,646.25 ; v1(808.35,701.25) R51.1@859.71,701.25 ; v1(810.37,1809) C22.2@855.46,1809 ; v1(810.69,1701.68) R44.1@857.67,1701.68 ; v1(810.81,1756.68) R43.1@854.91,1756.68 ; v1(816.01,1193.5) C35.2@869.88,1193.5 ; v1(818.25,1083.5) R62.1@872.13,1083.5 ; v1(818.25,1138.5) R61.1@872.13,1138.5 ; C20.2@1321.31,1833.5 v1(1358.88,1833.5) ; R46.2@1405.31,1781.5 v1(1446.88,1781.5) ; C34.2@1410.37,1176.5 v1(1464.25,1176.5) ; R64.1@1411.44,1071.69 1414,1069.13 v1(1414,1035) ; R63.1@1412.01,1125.19 v1(1465.88,1125.19) ; C53.1@1524,3124.72 1591.28,3124.72 1635,3081 1753,3081 1770.73,3098.73 T1.4@1816.26,3098.73
  Bottom Layer w25: C4.2@689,1010 C4.2@689,1000 690,999 v1(690,935) ; C28.2@1367.59,735.63 v1(1418.47,735.63)
  other v1: 1411,1511 1411,1547.5 1461,1548 1511,1548.5 761,1854 761,1895 715,1935 1316,2508.29 1373.07,2508.29 1406,2567 1463.07,2567 1406,2624.07 1463.07,2624.07 1316,2682.77 1373.07,2682.77 1404,2946 1453,2946 1514,2946 1575,2946 1636,2946 1697,2946 1409.73,3203.41 1449.32,3203.41 1409.73,3243 1449.32,3243
  other v2: 1457.41,3612.43 1405.24,3664.59 1457.41,3664.59 1509.57,3664.59 1457.41,3716.76
ISO_3P3V: C19.1 C20.1 C27.1 C28.1 C30.2 C31.2 C34.1 C80.1 R1.1 R2.2 R25.1 R26.2 R42.2 R47.2 R53.2 R54.1 R55.2 R60.1 R86.2 R93.1 U5.16 U6.1 U8.16 U9.1 U10.1 U11.5 U12.1 U22.5 | length 1573.6
  Top Layer w20: R26.2@396.41,2806.78 v1(439.78,2806.78) ; C30.2@1007.91,436.77 1008.64,437.5 U11.5@1062.32,437.5 ; R42.2@1367.8,2028 v1(1426.02,2028) ; C27.1@1729.43,384.81 1732.43,387.81 U8.16@1805.95,387.81
  Top Layer w22: v1(238.38,2337.52) R86.2@238.38,2389.84 ; U22.5@504.18,2285.4 583.95,2285.4 C80.1@584.04,2285.5 C80.1@584.04,2285.5 v1(584,2346) ; v1(1706.63,1813.96) C19.1@1706.63,1851.61 1804.16,1851.61 U5.16@1804.95,1850.81
  Top Layer w25: v1(963.79,436.77) C30.2@1007.91,436.77 ; R55.2@1110.15,177.15 v1(1156.91,177.15) ; v1(1615.18,654.25) R1.1@1666.76,654.25 ; v1(1621.19,937.81) R60.1@1667.57,937.81 ; v1(1725,1273) 1725,1238 C31.2@1724.81,1237.81 U10.1@1805.95,1237.81 ; v1(1729.43,343.93) C27.1@1729.43,384.81
  Bottom Layer w8: v1(1223.5,1833.5) C20.1@1274.07,1833.5 1274.07,1761.07 1264.62,1751.62 U6.1@1229.67,1751.62 ; U9.1@1233.92,690.37 1275.09,690.37 C28.1@1320.35,735.63 ; U12.1@1270.84,1130.12 1306.75,1130.12 1324.32,1147.69 1324.32,1163.19 1337.63,1176.5 C34.1@1363.13,1176.5
  Bottom Layer w20: C28.1@1320.35,735.63 v1(1320.35,774) ; C34.1@1363.13,1176.5 v1(1363.13,1215.38) ; R53.2@1369.71,679.44 v1(1422.66,679.44) ; R54.1@1386.99,624.75 v1(1435.94,624.75) ; R47.2@1405.31,1726.5 v1(1451,1726.5) ; R2.2@1686.73,1586.62 1711.38,1586.62 v1(1724,1574)
  other v1: 1110,1312 1057.25,1312.75 1110.75,1364.75 1058,1365.5 1617.02,3445.27 1656.62,3445.27 1696.21,3445.27 1617.02,3498.02 1656.62,3498.02 1696.21,3498.02
ISO_5V5: C2.1 J2.1 R40.2 R94.1 | length 165.5
  Top Layer w20: R40.2@1300.87,2156 1300.87,2212.87 v1(1301,2213)
  Bottom Layer w10: J2.1@479.8,1661.44 479.8,1683.8
  Bottom Layer w12: J2.1@479.8,1661.44 535.44,1661.44 557,1683
  other v1: 544,1934 592,1935 643,1935 562,1976 619,1976 701.79,3367.98 741.38,3367.98 780.98,3367.98 701.79,3420.73 741.38,3420.73 780.98,3420.73
ISO_+3.3V: C62.2 C63.1 R92.2 R93.2 R108.1 U16.1 U16.3 U16.20 U18.1 U18.6 U19.5 | length 1947.3
  Top Layer w12: U18.1@988.94,3103.35 U18.6@988.94,3080.71 1011.43,3058.21 C62.2@1049.25,3058.21 ; U16.1@1406.23,3573.06 1406.23,3545.36 1414.2,3537.39 1440.5,3537.39 1457.41,3554.3 ; U16.3@1457.41,3573.06 1457.41,3554.3 ; R93.2@1485,3475 1507.2,3497.2 1507.2,3536.39 1500.71,3542.88 1468.83,3542.88 1457.41,3554.3
  Top Layer w20: U19.5@830.13,3161.29 763.81,3161.29 C63.1@763.72,3161.2 760.93,3164 722.51,3164 694,3135.49 694,2953 719,2928 822.5,2928 839,2944.5 ; R108.1@839.23,2991.71 839,2991.48 839,2944.5 ; C62.2@1049.25,3058.21 1103.79,3058.21 v1(1129,3033) 1129,2947.67 1108.33,2927 856.5,2927 839,2944.5
  Top Layer w30: v1(1293,3200) 1293,3232.75 1395.5,3335.24 R92.2@1395.5,3472
  Bottom Layer w30: v1(1129,3033) 1210,3033 1293,3116 v1(1293,3200)
ISO_+6V: C44.1 D4.2 J7.1 TP23.1
ISO_BUF_BUSY: R38.1 U5.11 U12.5 | length 1670.9
  Top Layer w10: R38.1@1178.62,1021.34 1178.62,973.38 v1(1182,970) ; v1(1736.19,2100.81) U5.11@1804.95,2100.81
  Bottom Layer w8: v1(1182,970) 1182,1033.75 1215.38,1067.13 U12.5@1270.84,1067.13
  Bottom Layer w10: v1(1182,970) 1154.7,997.3 1154.7,1132.95 1250,1228.25 1250,1463 1490,1703 1490,1854.62 v1(1736.19,2100.81)
ISO_BUF_CONVST: R34.1 R50.2 R58.2 U5.15 U9.6 | length 2388.1
  Top Layer w10: R34.1@1137.62,615.56 1227.19,615.56 v1(1285.5,557.25) 1584.18,557.25 1584.18,557 v1(1551,557) ; 1584.43,557.25 1614.93,587.75 R50.2@1667.57,587.75 ; v1(1617.34,995) R58.2@1667.38,995 ; v1(1736.19,1900.81) U5.15@1804.95,1900.81
  Bottom Layer w8: U9.6@1233.92,611.63 1266.37,611.63 1285.5,592.5 v1(1285.5,557.25)
  Bottom Layer w10: v1(1551,557) 1551,652.18 1551,995 ; 1551,984 1562,995 1551,1006 ; 1551,1407 1551,1416 ; v1(1617.34,995) 1551,995 ; v1(1736.19,1900.81) 1654.81,1900.81 1579,1825 1579,1503 1551,1475 1551,1416 ; 1551,995 1551,1416